# KiCad board keys.kicad_pcb
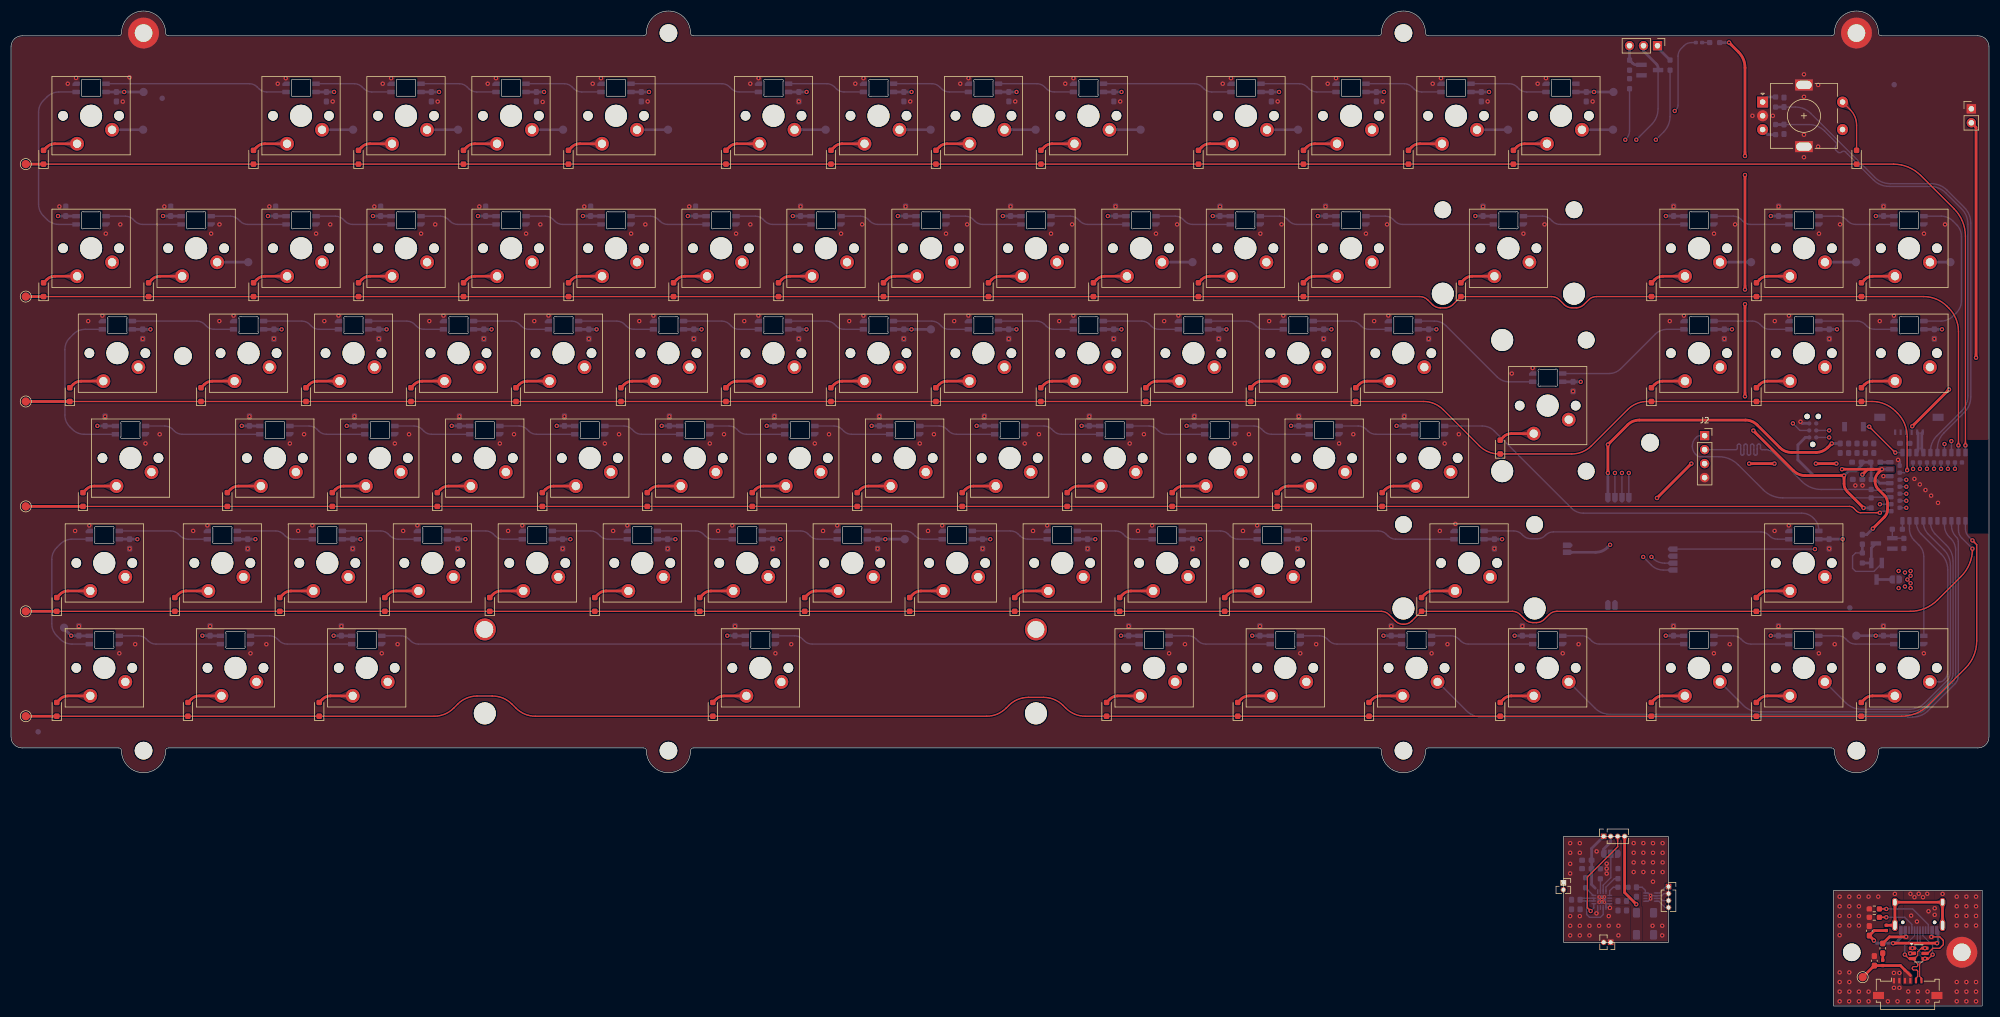
[diagram p0: board, top side]
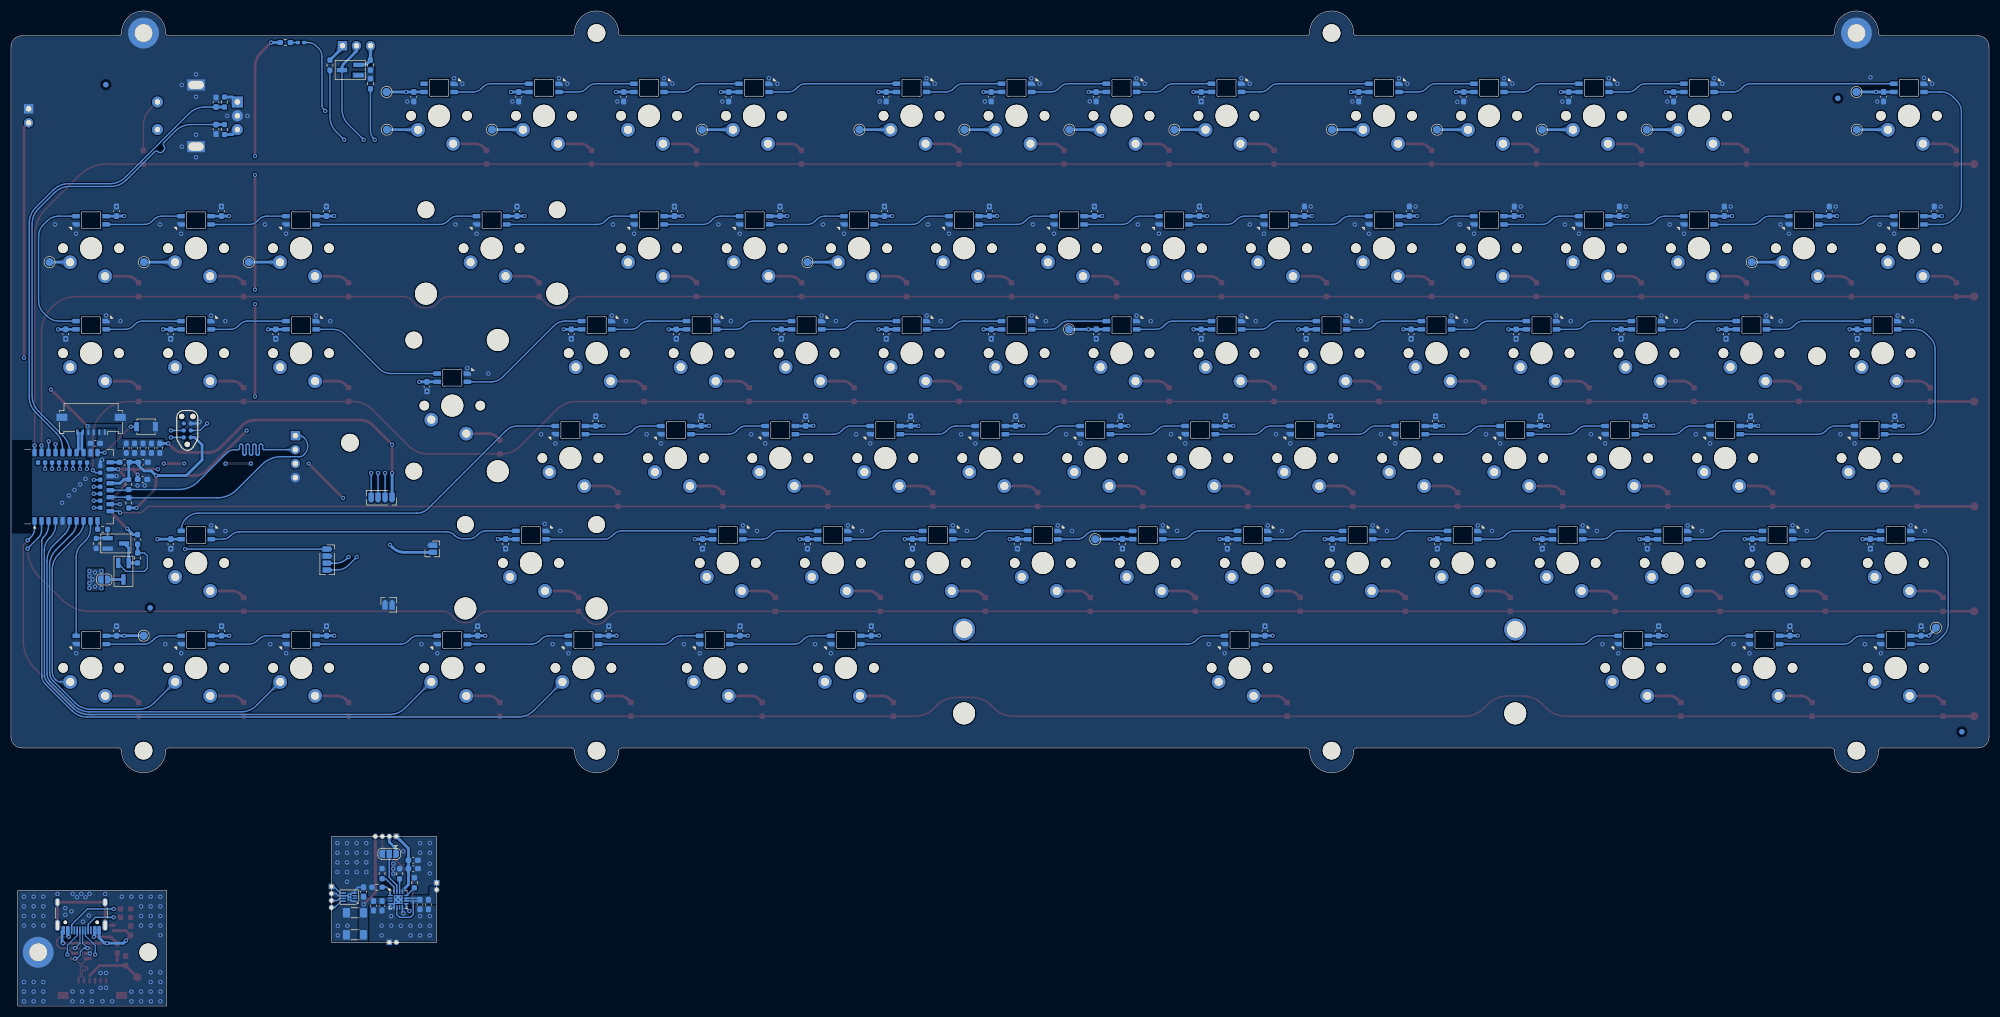
[diagram p1: board, bottom side, seen from below]

Outline 358.93 x 180.66 mm; copper layers: Top, In1.Cu, In2.Cu, Bottom. Coordinates in mm from the lower left corner of the outline.
Outline path: rectangle 281.7,30.76 300.77,11.56 ; rectangle 330.7,21 357.7,0 ; 0,174.16 0,48.86 arc(0.59,47.45) 2,46.86 19.55,46.86 arc(19.9,46.71) 20.05,46.36 arc(24.05,42.36) 28.05,46.36 arc(28.2,46.71) 28.55,46.86 114.8,46.86 arc(115.15,46.71) 115.3,46.36 arc(119.3,42.36) 123.3,46.36 arc(123.45,46.71) 123.8,46.86 248.18,46.86 arc(248.53,46.71) 248.68,46.36 arc(252.68,42.36) 256.68,46.36 arc(256.82,46.71) 257.18,46.86 330.38,46.86 arc(330.73,46.71) 330.88,46.36 arc(334.88,42.36) 338.88,46.36 arc(339.02,46.71) 339.38,46.86 356.93,46.86 arc(358.34,47.45) 358.93,48.86 358.93,174.16 arc(358.34,175.57) 356.93,176.16 339.38,176.16 arc(339.02,176.31) 338.88,176.66 arc(334.88,180.66) 330.88,176.66 arc(330.73,176.31) 330.38,176.16 257.18,176.16 arc(256.82,176.31) 256.68,176.66 arc(252.68,180.66) 248.68,176.66 arc(248.53,176.31) 248.18,176.16 123.8,176.16 arc(123.45,176.31) 123.3,176.66 arc(119.3,180.66) 115.3,176.66 arc(115.15,176.31) 114.8,176.16 28.55,176.16 arc(28.2,176.31) 28.05,176.66 arc(24.05,180.66) 20.05,176.66 arc(19.9,176.31) 19.55,176.16 2,176.16 arc(0.59,175.57) 0,174.16
Stack: Top 0.035mm / dielectric 0.1mm FR4 er 4.5 / In1.Cu 0.035mm / dielectric 1.24mm FR4 er 4.5 / In2.Cu 0.035mm / dielectric 0.1mm FR4 er 4.5 / Bottom 0.035mm

## Placement (name value [footprint] x y rotation side)
BT1  Battery_Cell  [R_1206_3216Metric_Pad1.30x1.75mm_HandSolder]  296.5 16.92 0 bottom  (not fitted)
BT2  Battery_Cell  [R_1206_3216Metric_Pad1.30x1.75mm_HandSolder]  296.5 12.92 0 bottom  (not fitted)
C1  0.1uF  [C_0603_1608Metric_Pad1.08x0.95mm_HandSolder]  331.93 101.27 90 bottom
C2  0.01uF  [C_0603_1608Metric_Pad1.08x0.95mm_HandSolder]  334.98 101.27 90 bottom
C3  100nF  [C_0603_1608Metric_Pad1.08x0.95mm_HandSolder]  19.12 165.1 270 bottom
C4  100nF  [C_0603_1608Metric_Pad1.08x0.95mm_HandSolder]  57.22 165.1 270 bottom
C5  100nF  [C_0603_1608Metric_Pad1.08x0.95mm_HandSolder]  76.27 165.1 270 bottom
C6  100nF  [C_0603_1608Metric_Pad1.08x0.95mm_HandSolder]  95.33 165.1 270 bottom
C7  100nF  [C_0603_1608Metric_Pad1.08x0.95mm_HandSolder]  114.37 165.1 270 bottom
C8  100nF  [C_0603_1608Metric_Pad1.08x0.95mm_HandSolder]  142.96 165.1 270 bottom
C9  100nF  [C_0603_1608Metric_Pad1.08x0.95mm_HandSolder]  162.01 165.1 270 bottom
C10  100nF  [C_0603_1608Metric_Pad1.08x0.95mm_HandSolder]  181.06 165.1 270 bottom
C11  100nF  [C_0603_1608Metric_Pad1.08x0.95mm_HandSolder]  200.12 165.1 270 bottom
C12  100nF  [C_0603_1608Metric_Pad1.08x0.95mm_HandSolder]  228.7 165.1 270 bottom
C13  100nF  [C_0603_1608Metric_Pad1.08x0.95mm_HandSolder]  247.75 165.1 270 bottom
C14  100nF  [C_0603_1608Metric_Pad1.08x0.95mm_HandSolder]  266.81 165.1 270 bottom
C15  100nF  [C_0603_1608Metric_Pad1.08x0.95mm_HandSolder]  285.85 165.1 270 bottom
C16  100nF  [C_0603_1608Metric_Pad1.08x0.95mm_HandSolder]  238.54 144.3 90 bottom
C17  100nF  [C_0603_1608Metric_Pad1.08x0.95mm_HandSolder]  219.38 144.3 90 bottom
C18  100nF  [C_0603_1608Metric_Pad1.08x0.95mm_HandSolder]  200.43 144.3 90 bottom
C19  100nF  [C_0603_1608Metric_Pad1.08x0.95mm_HandSolder]  181.38 144.3 90 bottom
C20  100nF  [C_0603_1608Metric_Pad1.08x0.95mm_HandSolder]  162.32 144.3 90 bottom
C21  100nF  [C_0603_1608Metric_Pad1.08x0.95mm_HandSolder]  143.27 144.3 90 bottom
C22  100nF  [C_0603_1608Metric_Pad1.08x0.95mm_HandSolder]  124.22 144.3 90 bottom
C23  100nF  [C_0603_1608Metric_Pad1.08x0.95mm_HandSolder]  105.17 144.3 90 bottom
C24  100nF  [C_0603_1608Metric_Pad1.08x0.95mm_HandSolder]  86.12 144.3 90 bottom
C25  100nF  [C_0603_1608Metric_Pad1.08x0.95mm_HandSolder]  67.08 144.3 90 bottom
C26  100nF  [C_0603_1608Metric_Pad1.08x0.95mm_HandSolder]  48.02 144.3 90 bottom
C27  100nF  [C_0603_1608Metric_Pad1.08x0.95mm_HandSolder]  28.97 144.3 90 bottom
C28  100nF  [C_0603_1608Metric_Pad1.08x0.95mm_HandSolder]  9.92 144.3 90 bottom
C29  100nF  [C_0603_1608Metric_Pad1.08x0.95mm_HandSolder]  267.12 144.3 90 bottom
C30  100nF  [C_0603_1608Metric_Pad1.08x0.95mm_HandSolder]  301.69 144.3 90 bottom
C31  100nF  [C_0603_1608Metric_Pad1.08x0.95mm_HandSolder]  320.75 144.3 90 bottom
C32  100nF  [C_0603_1608Metric_Pad1.08x0.95mm_HandSolder]  339.8 144.3 90 bottom
C33  100nF  [C_0603_1608Metric_Pad1.08x0.95mm_HandSolder]  23.9 122 270 bottom
C34  100nF  [C_0603_1608Metric_Pad1.08x0.95mm_HandSolder]  47.7 122 270 bottom
C35  100nF  [C_0603_1608Metric_Pad1.08x0.95mm_HandSolder]  66.75 122 270 bottom
C36  100nF  [C_0603_1608Metric_Pad1.08x0.95mm_HandSolder]  85.8 122 270 bottom
C37  100nF  [C_0603_1608Metric_Pad1.08x0.95mm_HandSolder]  104.86 122 270 bottom
C38  100nF  [C_0603_1608Metric_Pad1.08x0.95mm_HandSolder]  123.9 122 270 bottom
C39  100nF  [C_0603_1608Metric_Pad1.08x0.95mm_HandSolder]  142.95 122 270 bottom
C40  100nF  [C_0603_1608Metric_Pad1.08x0.95mm_HandSolder]  162 122 270 bottom
C41  100nF  [C_0603_1608Metric_Pad1.08x0.95mm_HandSolder]  181.05 122 270 bottom
C42  100nF  [C_0603_1608Metric_Pad1.08x0.95mm_HandSolder]  200.1 122 270 bottom
C43  100nF  [C_0603_1608Metric_Pad1.08x0.95mm_HandSolder]  219.15 122 270 bottom
C44  100nF  [C_0603_1608Metric_Pad1.08x0.95mm_HandSolder]  238.2 122 270 bottom
C45  100nF  [C_0603_1608Metric_Pad1.08x0.95mm_HandSolder]  257.25 122 270 bottom
C46  100nF  [C_0603_1608Metric_Pad1.08x0.95mm_HandSolder]  283.45 112.47 270 bottom
C47  100nF  [C_0603_1608Metric_Pad1.08x0.95mm_HandSolder]  310.9 122 270 bottom
C48  100nF  [C_0603_1608Metric_Pad1.08x0.95mm_HandSolder]  329.94 122 270 bottom
C49  100nF  [C_0603_1608Metric_Pad1.08x0.95mm_HandSolder]  349 122 270 bottom
C50  100nF  [C_0603_1608Metric_Pad1.08x0.95mm_HandSolder]  17.07 106.2 90 bottom
C51  100nF  [C_0603_1608Metric_Pad1.08x0.95mm_HandSolder]  43.27 106.2 90 bottom
C52  100nF  [C_0603_1608Metric_Pad1.08x0.95mm_HandSolder]  62.32 106.2 90 bottom
C53  100nF  [C_0603_1608Metric_Pad1.08x0.95mm_HandSolder]  81.37 106.2 90 bottom
C54  100nF  [C_0603_1608Metric_Pad1.08x0.95mm_HandSolder]  100.42 106.2 90 bottom
C55  100nF  [C_0603_1608Metric_Pad1.08x0.95mm_HandSolder]  119.47 106.2 90 bottom
C56  100nF  [C_0603_1608Metric_Pad1.08x0.95mm_HandSolder]  138.52 106.2 90 bottom
C57  100nF  [C_0603_1608Metric_Pad1.08x0.95mm_HandSolder]  157.57 106.2 90 bottom
C58  100nF  [C_0603_1608Metric_Pad1.08x0.95mm_HandSolder]  176.62 106.2 90 bottom
C59  100nF  [C_0603_1608Metric_Pad1.08x0.95mm_HandSolder]  195.67 106.2 90 bottom
C60  100nF  [C_0603_1608Metric_Pad1.08x0.95mm_HandSolder]  214.73 106.2 90 bottom
C61  100nF  [C_0603_1608Metric_Pad1.08x0.95mm_HandSolder]  233.68 106.2 90 bottom
C62  100nF  [C_0603_1608Metric_Pad1.08x0.95mm_HandSolder]  252.82 106.2 90 bottom
C63  100nF  [C_0603_1608Metric_Pad1.08x0.95mm_HandSolder]  21.52 83.9 270 bottom
C64  100nF  [C_0603_1608Metric_Pad1.08x0.95mm_HandSolder]  42.95 83.9 270 bottom
C65  100nF  [C_0603_1608Metric_Pad1.08x0.95mm_HandSolder]  62 83.9 270 bottom
C66  100nF  [C_0603_1608Metric_Pad1.08x0.95mm_HandSolder]  81.05 83.9 270 bottom
C67  100nF  [C_0603_1608Metric_Pad1.08x0.95mm_HandSolder]  100.1 83.9 270 bottom
C68  100nF  [C_0603_1608Metric_Pad1.08x0.95mm_HandSolder]  119.15 83.9 270 bottom
C69  100nF  [C_0603_1608Metric_Pad1.08x0.95mm_HandSolder]  138.2 83.9 270 bottom
C70  100nF  [C_0603_1608Metric_Pad1.08x0.95mm_HandSolder]  157.25 83.9 270 bottom
C71  100nF  [C_0603_1608Metric_Pad1.08x0.95mm_HandSolder]  176.3 83.9 270 bottom
C72  100nF  [C_0603_1608Metric_Pad1.08x0.95mm_HandSolder]  195.36 83.9 270 bottom
C73  100nF  [C_0603_1608Metric_Pad1.08x0.95mm_HandSolder]  214.4 83.9 270 bottom
C74  100nF  [C_0603_1608Metric_Pad1.08x0.95mm_HandSolder]  233.45 83.9 270 bottom
C75  100nF  [C_0603_1608Metric_Pad1.08x0.95mm_HandSolder]  269.18 83.9 270 bottom
C76  100nF  [C_0603_1608Metric_Pad1.08x0.95mm_HandSolder]  329.93 83.9 270 bottom
C77  100nF  [C_0603_1608Metric_Pad1.08x0.95mm_HandSolder]  12.32 68.1 90 bottom
C78  100nF  [C_0603_1608Metric_Pad1.08x0.95mm_HandSolder]  36.12 68.1 90 bottom
C79  100nF  [C_0603_1608Metric_Pad1.08x0.95mm_HandSolder]  59.94 68.1 90 bottom
C80  100nF  [C_0603_1608Metric_Pad1.08x0.95mm_HandSolder]  131.38 68.1 90 bottom
C81  100nF  [C_0603_1608Metric_Pad1.08x0.95mm_HandSolder]  202.82 68.1 90 bottom
C82  100nF  [C_0603_1608Metric_Pad1.08x0.95mm_HandSolder]  226.62 68.1 90 bottom
C83  100nF  [C_0603_1608Metric_Pad1.08x0.95mm_HandSolder]  250.45 68.1 90 bottom
C84  100nF  [C_0603_1608Metric_Pad1.08x0.95mm_HandSolder]  274.25 68.1 90 bottom
C85  100nF  [C_0603_1608Metric_Pad1.08x0.95mm_HandSolder]  301.68 68.1 90 bottom
C86  100nF  [C_0603_1608Metric_Pad1.08x0.95mm_HandSolder]  320.73 68.1 90 bottom
C87  100nF  [C_0603_1608Metric_Pad1.08x0.95mm_HandSolder]  339.77 68.1 90 bottom
C88  4.7uF  [C_0603_1608Metric_Pad1.08x0.95mm_HandSolder]  338.03 101.27 270 bottom
C89  4.7uF  [C_0603_1608Metric_Pad1.08x0.95mm_HandSolder]  285.95 24.94 180 bottom
C90  1uF  [C_0603_1608Metric_Pad1.08x0.95mm_HandSolder]  285.95 26.46 180 bottom
C91  4.7uF  [C_0603_1608Metric_Pad1.08x0.95mm_HandSolder]  283.17 18.42 270 bottom
C92  1uF  [C_0603_1608Metric_Pad1.08x0.95mm_HandSolder]  284.72 18.42 270 bottom
C93  100nF  [C_0603_1608Metric_Pad1.08x0.95mm_HandSolder]  294.95 20.7 90 bottom
C94  4.7uF  [C_0603_1608Metric_Pad1.08x0.95mm_HandSolder]  291.6 18.2 270 bottom
C95  1uF  [C_0603_1608Metric_Pad1.08x0.95mm_HandSolder]  293.15 18.2 270 bottom
C96  1uF  [C_0603_1608Metric_Pad1.08x0.95mm_HandSolder]  334.95 98.73 180 bottom
C97  4.7uF  [C_0603_1608Metric_Pad1.08x0.95mm_HandSolder]  343.64 102.16 180 bottom
C98  4.7uF  [C_0603_1608Metric_Pad1.08x0.95mm_HandSolder]  335.07 95.61 180 bottom
C99  100nF  [C_0603_1608Metric_Pad1.08x0.95mm_HandSolder]  321.73 164.08 90 bottom
C100  100nF  [C_0603_1608Metric_Pad1.08x0.95mm_HandSolder]  321.73 159.19 270 bottom
C101  0.001uF  [C_0603_1608Metric_Pad1.08x0.95mm_HandSolder]  333.45 101.27 90 bottom
C102  10uF  [C_0603_1608Metric_Pad1.08x0.95mm_HandSolder]  336.5 101.27 90 bottom
C103  0.01uF  [C_0603_1608Metric_Pad1.08x0.95mm_HandSolder]  337.21 13.65 90 top
C104  0.01uF  [C_0603_1608Metric_Pad1.08x0.95mm_HandSolder]  338.12 8.2 90 top
D1  1N4148WS  [D_SOD-323_HandSoldering]  5.9 154.11 90 top
D2  1N4148WS  [D_SOD-323_HandSoldering]  44 154.11 90 top
D3  1N4148WS  [D_SOD-323_HandSoldering]  63.05 154.11 90 top
D4  1N4148WS  [D_SOD-323_HandSoldering]  82.1 154.11 90 top
D5  1N4148WS  [D_SOD-323_HandSoldering]  101.15 154.11 90 top
D6  1N4148WS  [D_SOD-323_HandSoldering]  129.74 154.12 90 top
D7  1N4148WS  [D_SOD-323_HandSoldering]  148.79 154.12 90 top
D8  1N4148WS  [D_SOD-323_HandSoldering]  167.84 154.12 90 top
D9  1N4148WS  [D_SOD-323_HandSoldering]  186.89 154.12 90 top
D10  1N4148WS  [D_SOD-323_HandSoldering]  215.48 154.11 90 top
D11  1N4148WS  [D_SOD-323_HandSoldering]  234.53 154.11 90 top
D12  1N4148WS  [D_SOD-323_HandSoldering]  253.58 154.11 90 top
D13  1N4148WS  [D_SOD-323_HandSoldering]  272.62 154.11 90 top
D14  1N4148WS  [D_SOD-323_HandSoldering]  5.9 130.06 90 top
D15  1N4148WS  [D_SOD-323_HandSoldering]  24.96 130.06 90 top
D16  1N4148WS  [D_SOD-323_HandSoldering]  44.01 130.06 90 top
D17  1N4148WS  [D_SOD-323_HandSoldering]  63.06 130.06 90 top
D18  1N4148WS  [D_SOD-323_HandSoldering]  82.11 130.06 90 top
D19  1N4148WS  [D_SOD-323_HandSoldering]  101.17 130.06 90 top
D20  1N4148WS  [D_SOD-323_HandSoldering]  120.22 130.06 90 top
D21  1N4148WS  [D_SOD-323_HandSoldering]  139.26 130.06 90 top
D22  1N4148WS  [D_SOD-323_HandSoldering]  158.31 130.06 90 top
D23  1N4148WS  [D_SOD-323_HandSoldering]  177.37 130.06 90 top
D24  1N4148WS  [D_SOD-323_HandSoldering]  196.42 130.06 90 top
D25  1N4148WS  [D_SOD-323_HandSoldering]  215.46 130.06 90 top
D26  1N4148WS  [D_SOD-323_HandSoldering]  234.51 130.06 90 top
D27  1N4148WS  [D_SOD-323_HandSoldering]  263.1 130.06 90 top
D28  1N4148WS  [D_SOD-323_HandSoldering]  297.68 130.06 90 top
D29  1N4148WS  [D_SOD-323_HandSoldering]  316.73 130.06 90 top
D30  1N4148WS  [D_SOD-323_HandSoldering]  335.78 130.06 90 top
D32  1N4148WS  [D_SOD-323_HandSoldering]  10.67 111.01 90 top
D33  1N4148WS  [D_SOD-323_HandSoldering]  34.48 111.01 90 top
D34  1N4148WS  [D_SOD-323_HandSoldering]  53.52 111.01 90 top
D35  1N4148WS  [D_SOD-323_HandSoldering]  72.58 111.01 90 top
D36  1N4148WS  [D_SOD-323_HandSoldering]  91.63 111.01 90 top
D37  1N4148WS  [D_SOD-323_HandSoldering]  110.68 111.01 90 top
D38  1N4148WS  [D_SOD-323_HandSoldering]  129.73 111.01 90 top
D39  1N4148WS  [D_SOD-323_HandSoldering]  148.78 111.01 90 top
D40  1N4148WS  [D_SOD-323_HandSoldering]  167.82 111.01 90 top
D41  1N4148WS  [D_SOD-323_HandSoldering]  186.88 111.01 90 top
D42  1N4148WS  [D_SOD-323_HandSoldering]  205.93 111.01 90 top
D43  1N4148WS  [D_SOD-323_HandSoldering]  224.98 111.01 90 top
D44  1N4148WS  [D_SOD-323_HandSoldering]  244.03 111.01 90 top
D45  1N4148WS  [D_SOD-323_HandSoldering]  270.23 101.48 90 top
D46  1N4148WS  [D_SOD-323_HandSoldering]  297.67 111.01 90 top
D47  1N4148WS  [D_SOD-323_HandSoldering]  316.72 111.01 90 top
D48  1N4148WS  [D_SOD-323_HandSoldering]  335.78 111.01 90 top
D49  1N4148WS  [D_SOD-323_HandSoldering]  13.05 91.96 90 top
D50  1N4148WS  [D_SOD-323_HandSoldering]  39.25 91.96 90 top
D51  1N4148WS  [D_SOD-323_HandSoldering]  58.3 91.96 90 top
D52  1N4148WS  [D_SOD-323_HandSoldering]  77.35 91.96 90 top
D53  1N4148WS  [D_SOD-323_HandSoldering]  96.4 91.96 90 top
D54  1N4148WS  [D_SOD-323_HandSoldering]  115.45 91.96 90 top
D55  1N4148WS  [D_SOD-323_HandSoldering]  134.5 91.96 90 top
D56  1N4148WS  [D_SOD-323_HandSoldering]  153.55 91.96 90 top
D57  1N4148WS  [D_SOD-323_HandSoldering]  172.6 91.96 90 top
D58  1N4148WS  [D_SOD-323_HandSoldering]  191.65 91.96 90 top
D59  1N4148WS  [D_SOD-323_HandSoldering]  210.7 91.96 90 top
D60  1N4148WS  [D_SOD-323_HandSoldering]  229.75 91.96 90 top
D61  1N4148WS  [D_SOD-323_HandSoldering]  248.8 91.96 90 top
D62  1N4148WS  [D_SOD-323_HandSoldering]  8.3 72.91 90 top
D63  1N4148WS  [D_SOD-323_HandSoldering]  29.72 72.91 90 top
D64  1N4148WS  [D_SOD-323_HandSoldering]  48.77 72.91 90 top
D65  1N4148WS  [D_SOD-323_HandSoldering]  67.83 72.91 90 top
D66  1N4148WS  [D_SOD-323_HandSoldering]  86.88 72.91 90 top
D67  1N4148WS  [D_SOD-323_HandSoldering]  105.93 72.91 90 top
D68  1N4148WS  [D_SOD-323_HandSoldering]  124.98 72.91 90 top
D69  1N4148WS  [D_SOD-323_HandSoldering]  144.02 72.91 90 top
D70  1N4148WS  [D_SOD-323_HandSoldering]  163.07 72.91 90 top
D71  1N4148WS  [D_SOD-323_HandSoldering]  182.13 72.91 90 top
D72  1N4148WS  [D_SOD-323_HandSoldering]  201.18 72.91 90 top
D73  1N4148WS  [D_SOD-323_HandSoldering]  220.23 72.91 90 top
D74  1N4148WS  [D_SOD-323_HandSoldering]  255.95 72.91 90 top
D75  1N4148WS  [D_SOD-323_HandSoldering]  316.7 72.91 90 top
D76  1N4148WS  [D_SOD-323_HandSoldering]  8.3 53.86 90 top
D77  1N4148WS  [D_SOD-323_HandSoldering]  32.11 53.86 90 top
D78  1N4148WS  [D_SOD-323_HandSoldering]  55.92 53.86 90 top
D79  1N4148WS  [D_SOD-323_HandSoldering]  127.36 53.86 90 top
D80  1N4148WS  [D_SOD-323_HandSoldering]  198.8 53.86 90 top
D81  1N4148WS  [D_SOD-323_HandSoldering]  222.61 53.86 90 top
D82  1N4148WS  [D_SOD-323_HandSoldering]  246.43 53.86 90 top
D83  1N4148WS  [D_SOD-323_HandSoldering]  270.23 53.86 90 top
D84  1N4148WS  [D_SOD-323_HandSoldering]  297.66 53.86 90 top
D85  1N4148WS  [D_SOD-323_HandSoldering]  316.7 53.86 90 top
D86  1N4148WS  [D_SOD-323_HandSoldering]  335.75 53.86 90 top
D87  LED_Small  [LED_0402_1005Metric_Pad0.77x0.64mm_HandSolder]  306.3 174.94 0 bottom
D88  1N4148WS  [D_SOD-323_HandSoldering]  334.9 154.11 90 top
F1  1A  [Fuse_0603_1608Metric_Pad1.05x0.95mm_HandSolder]  339.65 10.47 270 top
F2  1A  [Fuse_0603_1608Metric_Pad1.05x0.95mm_HandSolder]  335.95 84.71 270 bottom
FID1  Fiducial  [Fiducial_1mm_Mask2mm]  27.42 164.81 180 bottom
FID2  Fiducial  [Fiducial_1mm_Mask2mm]  341.73 167.28 180 bottom
FID3  Fiducial  [Fiducial_1mm_Mask2mm]  4.92 49.78 180 bottom
FID4  Fiducial  [Fiducial_1mm_Mask2mm]  333.68 72.28 180 bottom
H1  MountingHole  [MountingHole_3.2mm_M3_DIN965]  31.2 118.01 0 top
H2  MountingHole  [MountingHole_3.2mm_M3_DIN965]  119.3 176.66 0 top
H3  MountingHole  [MountingHole_3.2mm_M3_DIN965]  297.43 102.28 0 top
H4  MountingHole  [MountingHole_3.2mm_M3_DIN965]  24.05 46.36 0 top
H5  MountingHole  [MountingHole_3.2mm_M3_DIN965]  334.88 46.36 0 top
H6  MountingHole  [MountingHole_3.2mm_M3_DIN965]  252.68 176.66 0 top
H7  MountingHole  [MountingHole_3.2mm_M3_DIN965]  119.3 46.36 0 top
H8  MountingHole  [MountingHole_3.2mm_M3_DIN965]  252.68 46.36 0 top
H9  MountingHole_Pad  [MountingHole_3.2mm_M3_DIN965_Pad_TopBottom]  24.05 176.66 180 top
H10  MountingHole_Pad  [MountingHole_3.2mm_M3_DIN965_Pad_TopBottom]  334.88 176.66 0 top
H11  MountingHole  [MountingHole_3.2mm_M3_DIN965]  334.03 9.75 0 top
H12  MountingHole_Pad  [MountingHole_3.2mm_M3_DIN965_Pad_TopBottom]  354 9.75 0 top
J1  USB_C_Receptacle_USB2.0_16P  [USB_C_Receptacle_HRO_TYPE-C-31-M-12]  346.18 17.78 0 bottom
J2  Screen  [PinSocket_1x04_P2.54mm_Vertical]  307.32 103.56 0 top
J3  TC2030_SWD  [CON_TC2030_outlined]  326.94 104.5 90 bottom
J4  Pogopins  [PinHeader_1x02_P2.54mm_Vertical]  355.73 162.91 0 top
J5  Conn_01x06_MountingPin  [Molex_200528-0060_1x06-1MP_P1.00mm_Horizontal]  344.4 105.09 0 bottom
J6  Conn_01x06_MountingPin  [Molex_200528-0060_1x06-1MP_P1.00mm_Horizontal]  344.18 3.69 0 top
J7  Conn_01x04  [PinSocket_1x04_P1.27mm_Vertical]  300.77 21.69 0 top  (not fitted)
J8  Conn_01x02  [PinSocket_1x02_P1.27mm_Vertical]  290.27 11.56 270 top  (not fitted)
J9  Conn_01x02  [PinSocket_1x02_P1.27mm_Vertical]  281.7 22.38 0 top  (not fitted)
J10  Conn_01x04  [PinSocket_1x04_P1.27mm_Vertical#2]  289.78 92.28 270 bottom  (not fitted)
J11  Conn_01x04  [PinSocket_1x04_P1.27mm_Vertical]  289 30.79 90 top  (not fitted)
J12  Conn_01x02  [PinSocket_1x02_P1.27mm_Vertical#2]  282.47 83.66 180 bottom  (not fitted)
J13  Conn_01x02  [PinSocket_1x02_P1.27mm_Vertical#2]  291.05 72.84 90 bottom  (not fitted)
J14  Conn_01x04  [PinSocket_1x04_P1.27mm_Vertical#2]  301.55 82.96 180 bottom  (not fitted)
JP1  SolderJumper_2_Open  [SolderJumper-2_P1.3mm_Open_RoundedPad1.0x1.5mm]  342 77.44 0 bottom
JP2  SolderJumper_3_Open  [SolderJumper-3_P1.3mm_Open_RoundedPad1.0x1.5mm]  290.3 27.64 0 bottom
L1  BLM15PX121SN1D  [L_0402_1005Metric]  339.65 7.82 270 top
L2  BLM15PX121SN1D  [L_0402_1005Metric]  340.28 14.17 270 top
L3  10uH  [L_0603_1608Metric_Pad1.05x0.95mm_HandSolder]  338.32 98.73 180 bottom
LED1  MX_SK6812MINI-E  [LED_MX_6028R]  281.25 166.71 0 bottom
LED2  MX_SK6812MINI-E  [LED_MX_6028R]  262.2 166.71 0 bottom
LED3  MX_SK6812MINI-E  [LED_MX_6028R]  243.16 166.71 0 bottom
LED4  MX_SK6812MINI-E  [LED_MX_6028R]  224.1 166.71 0 bottom
LED5  MX_SK6812MINI-E  [LED_MX_6028R]  195.51 166.72 0 bottom
LED6  MX_SK6812MINI-E  [LED_MX_6028R]  176.46 166.72 0 bottom
LED7  MX_SK6812MINI-E  [LED_MX_6028R]  157.42 166.72 0 bottom
LED8  MX_SK6812MINI-E  [LED_MX_6028R]  138.37 166.72 0 bottom
LED9  MX_SK6812MINI-E  [LED_MX_6028R]  109.77 166.71 0 bottom
LED10  MX_SK6812MINI-E  [LED_MX_6028R]  90.72 166.71 0 bottom
LED11  MX_SK6812MINI-E  [LED_MX_6028R]  71.67 166.71 0 bottom
LED12  MX_SK6812MINI-E  [LED_MX_6028R]  52.62 166.71 0 bottom
LED13  MX_SK6812MINI-E  [LED_MX_6028R]  14.52 166.71 0 bottom
LED14  MX_SK6812MINI-E  [LED_MX_6028R-ROT]  14.53 142.66 0 bottom
LED15  MX_SK6812MINI-E  [LED_MX_6028R-ROT]  33.59 142.66 0 bottom
LED16  MX_SK6812MINI-E  [LED_MX_6028R-ROT]  52.63 142.66 0 bottom
LED17  MX_SK6812MINI-E  [LED_MX_6028R-ROT]  71.69 142.66 0 bottom
LED18  MX_SK6812MINI-E  [LED_MX_6028R-ROT]  90.74 142.66 0 bottom
LED19  MX_SK6812MINI-E  [LED_MX_6028R-ROT]  109.8 142.66 0 bottom
LED20  MX_SK6812MINI-E  [LED_MX_6028R-ROT]  128.84 142.66 0 bottom
LED21  MX_SK6812MINI-E  [LED_MX_6028R-ROT]  147.89 142.66 0 bottom
LED22  MX_SK6812MINI-E  [LED_MX_6028R-ROT]  166.94 142.66 0 bottom
LED23  MX_SK6812MINI-E  [LED_MX_6028R-ROT]  185.99 142.66 0 bottom
LED24  MX_SK6812MINI-E  [LED_MX_6028R-ROT]  205.04 142.66 0 bottom
LED25  MX_SK6812MINI-E  [LED_MX_6028R-ROT]  223.98 142.66 0 bottom
LED26  MX_SK6812MINI-E  [LED_MX_6028R-ROT]  243.14 142.66 0 bottom
LED27  MX_SK6812MINI-E  [LED_MX_6028R-ROT]  271.72 142.66 0 bottom
LED28  MX_SK6812MINI-E  [LED_MX_6028R-ROT]  306.3 142.66 0 bottom
LED29  MX_SK6812MINI-E  [LED_MX_6028R-ROT]  325.35 142.66 0 bottom
LED30  MX_SK6812MINI-E  [LED_MX_6028R-ROT]  344.4 142.66 0 bottom
LED31  MX_SK6812MINI-E  [LED_MX_6028R]  344.4 123.61 0 bottom
LED32  MX_SK6812MINI-E  [LED_MX_6028R]  325.35 123.61 0 bottom
LED33  MX_SK6812MINI-E  [LED_MX_6028R]  306.3 123.61 0 bottom
LED34  MX_SK6812MINI-E  [LED_MX_6028R]  278.85 114.08 0 bottom
LED35  MX_SK6812MINI-E  [LED_MX_6028R]  252.65 123.61 0 bottom
LED36  MX_SK6812MINI-E  [LED_MX_6028R]  233.6 123.61 0 bottom
LED37  MX_SK6812MINI-E  [LED_MX_6028R]  214.56 123.61 0 bottom
LED38  MX_SK6812MINI-E  [LED_MX_6028R]  195.5 123.61 0 bottom
LED39  MX_SK6812MINI-E  [LED_MX_6028R]  176.45 123.61 0 bottom
LED40  MX_SK6812MINI-E  [LED_MX_6028R]  157.4 123.61 0 bottom
LED41  MX_SK6812MINI-E  [LED_MX_6028R]  138.35 123.61 0 bottom
LED42  MX_SK6812MINI-E  [LED_MX_6028R]  119.3 123.61 0 bottom
LED43  MX_SK6812MINI-E  [LED_MX_6028R]  100.26 123.61 0 bottom
LED44  MX_SK6812MINI-E  [LED_MX_6028R]  81.2 123.61 0 bottom